# Altium PCB H-00488.PcbDoc (part 3 of 9)
Units mm, origin at the board's own origin, x right, y up, seen from the top; angles counter-clockwise.
Board outline 141.5 x 129 mm, 4 copper layers (Top Layer, Ground Plane, Power Plane, Bottom Layer), stack 1.536 mm thick; 527 components, 572 nets, 2185 pads, 1060 vias.
Unrouted connection lines stored in the file: 97.
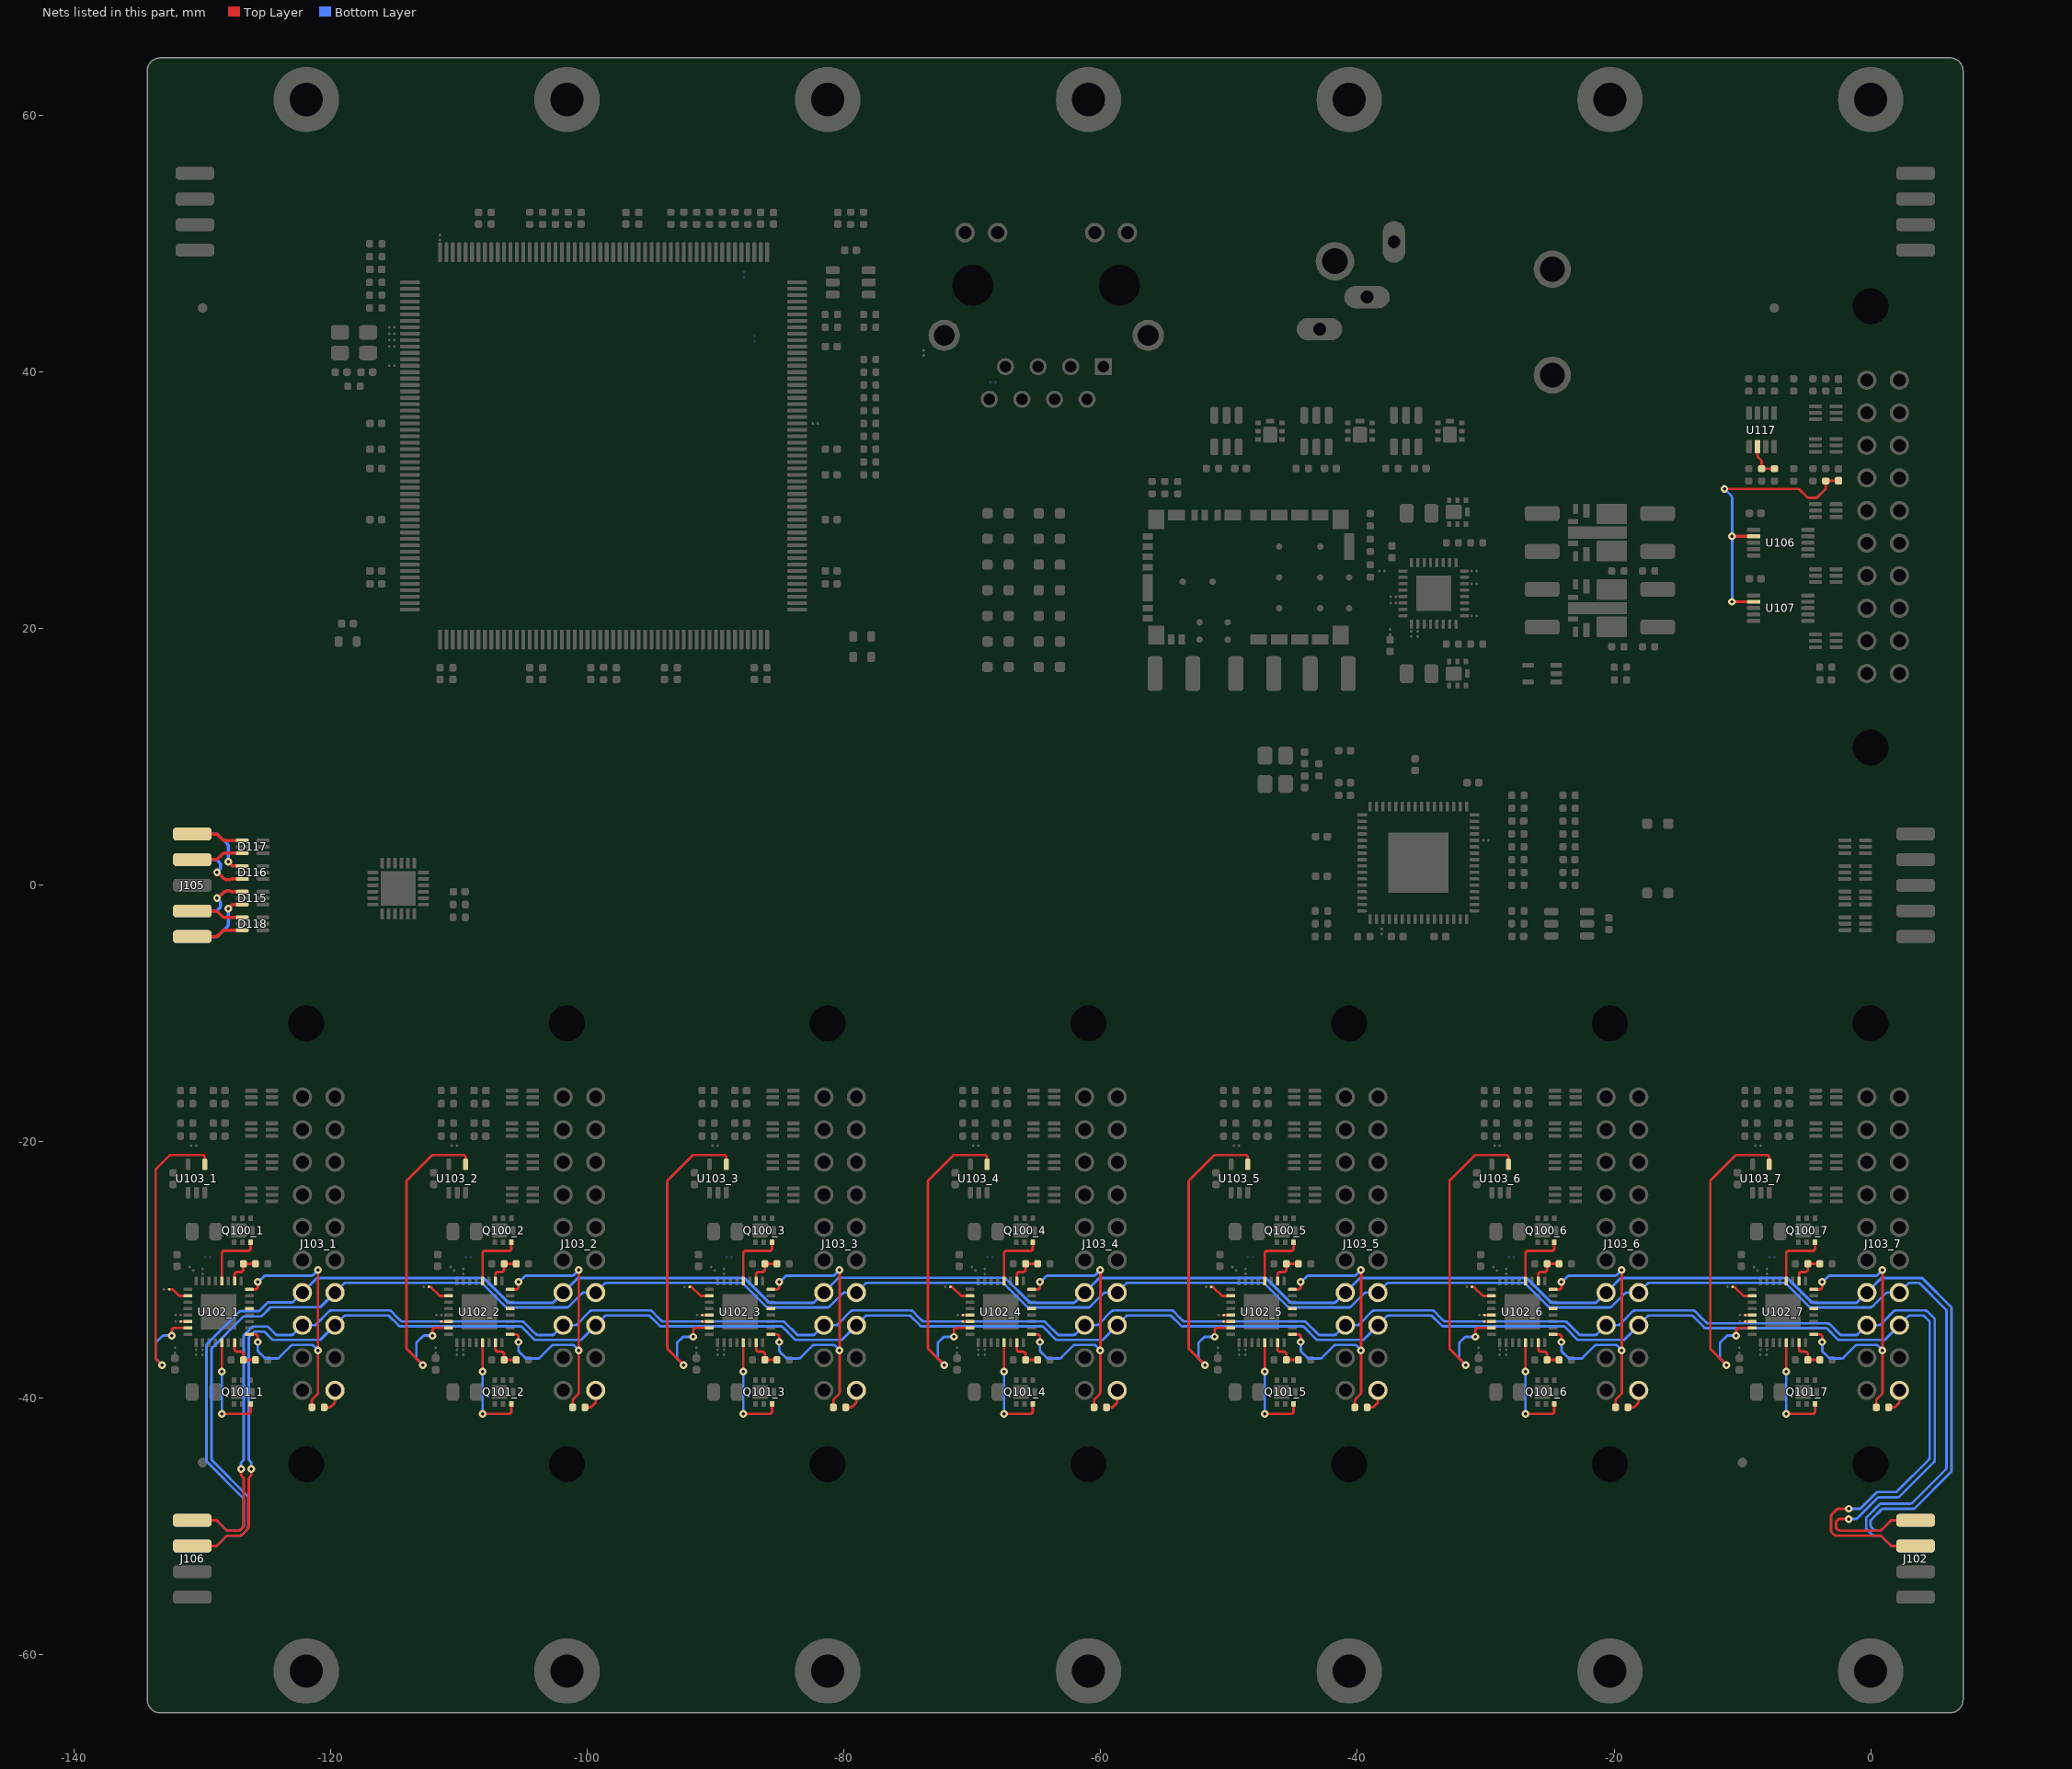
[diagram p5: the nets of this part, all layers, seen from the top]

## Via types
v1: diameter 0.6, hole 0.25, Top Layer to Bottom Layer, 934 vias
v2: diameter 0.7, hole 0.3, Top Layer to Bottom Layer, 112 vias
v3: diameter 1.27, hole 0.711, Top Layer to Bottom Layer, 14 vias

## Nets (pads, with @x,y where several pads share a name; then routed paths per layer and width w, separated by ;. In a path a pad name is that pad's centre, name@x,y a point inside that pad or via, vN(x,y) a via of type N, cw(c..) or ccw(c..) an arc to the next point about the centre after c; other vN are vias at no path point) (continued)
ADR0_3: NT126_3.2 U102_3.5 | length 1.1
  Top Layer w0.2: NT126_3.2@-91.06,-33.504 U102_3.5@-90.51,-33.504 NT126_3.2@-91.06,-33.504
ADR0_4: NT126_4.2 U102_4.5 | length 1.1
  Top Layer w0.2: NT126_4.2@-70.74,-33.504 U102_4.5@-70.19,-33.504 NT126_4.2@-70.74,-33.504
ADR0_5: NT126_5.2 U102_5.5 | length 1.1
  Top Layer w0.2: NT126_5.2@-50.42,-33.504 U102_5.5@-49.87,-33.504 NT126_5.2@-50.42,-33.504
ADR0_6: NT126_6.2 U102_6.5 | length 1.1
  Top Layer w0.2: NT126_6.2@-30.1,-33.504 U102_6.5@-29.55,-33.504 NT126_6.2@-30.1,-33.504
ADR0_7: NT126_7.2 U102_7.5 | length 0.6
  Top Layer w0.2: NT126_7.2@-9.78,-33.504 U102_7.5@-9.23,-33.504
ADR1_1: NT125_1.2 U102_1.6 | length 0.5
  Top Layer w0.2: NT125_1.2@-131.7,-34.004 U102_1.6@-131.15,-34.004
ADR1_2: NT125_2.2 U102_2.6 | length 0.6
  Top Layer w0.2: NT125_2.2@-111.38,-34.004 U102_2.6@-110.83,-34.004
ADR1_3: NT125_3.2 U102_3.6 | length 0.6
  Top Layer w0.2: NT125_3.2@-91.06,-34.004 U102_3.6@-90.51,-34.004
ADR1_4: NT125_4.2 U102_4.6 | length 0.6
  Top Layer w0.2: NT125_4.2@-70.74,-34.004 U102_4.6@-70.19,-34.004
ADR1_5: NT125_5.2 U102_5.6 | length 0.6
  Top Layer w0.2: NT125_5.2@-50.42,-34.004 U102_5.6@-49.87,-34.004
ADR1_6: NT125_6.2 U102_6.6 | length 0.6
  Top Layer w0.2: NT125_6.2@-30.1,-34.004 U102_6.6@-29.55,-34.004
ADR1_7: NT125_7.2 U102_7.6 | length 0.6
  Top Layer w0.2: NT125_7.2@-9.78,-34.004 U102_7.6@-9.23,-34.004
ADR2_1: U102_1.7 U103_1.4 | length 25.6
  Top Layer w0.2: v1(-133.147,-37.402) -133.591,-36.957 cw(c-133.45,-36.815) -133.65,-36.815 -133.65,-22.221 cw(c-133.45,-22.221) -133.591,-22.079 -132.596,-21.084 cw(c-132.454,-21.225) -132.454,-21.025 -130.025,-21.025 cw(c-130.025,-21.225) -129.825,-21.225 U103_1.4@-129.825,-21.76 ; v1(-132.4,-35.1) -132.4,-34.704 cw(c-132.2,-34.704) -132.2,-34.504 U102_1.7@-131.146,-34.504
  Bottom Layer w0.2: v1(-133.147,-37.402) -133.605,-36.944 cw(c-133.463,-36.802) -133.663,-36.802 -133.663,-35.746 cw(c-133.463,-35.746) -133.605,-35.605 -133.159,-35.159 cw(c-133.017,-35.3) -133.017,-35.1 v1(-132.4,-35.1)
ADR2_2: U102_2.7 U103_2.4 | length 26.1
  Top Layer w0.2: -114.041,-36.187 v1(-112.827,-37.402) ; -114.042,-36.186 cw(c-113.9,-36.045) -114.1,-36.045 -114.1,-23.109 cw(c-113.9,-23.109) -114.041,-22.967 -112.158,-21.084 cw(c-112.016,-21.225) -112.016,-21.025 -109.705,-21.025 cw(c-109.705,-21.225) -109.505,-21.225 U103_2.4@-109.505,-21.76 ; v1(-112.08,-35.1) -112.08,-34.704 cw(c-111.88,-34.704) -111.88,-34.504 U102_2.7@-110.826,-34.504
  Bottom Layer w0.2: v1(-112.827,-37.402) -113.285,-36.944 cw(c-113.143,-36.802) -113.343,-36.802 -113.343,-35.746 cw(c-113.143,-35.746) -113.285,-35.605 -112.839,-35.159 cw(c-112.697,-35.3) -112.697,-35.1 v1@-112.081,-35.1
ADR2_3: U102_3.7 U103_3.4 | length 26.4
  Top Layer w0.2: -93.721,-36.187 v1(-92.507,-37.402) ; -93.722,-36.186 cw(c-93.58,-36.045) -93.78,-36.045 -93.78,-23.109 cw(c-93.58,-23.109) -93.721,-22.967 -91.838,-21.084 cw(c-91.696,-21.225) -91.696,-21.025 -89.385,-21.025 cw(c-89.385,-21.225) -89.185,-21.225 U103_3.4@-89.185,-21.76 ; v1@-91.76,-35.397 -91.76,-34.704 cw(c-91.56,-34.704) -91.56,-34.504 U102_3.7@-90.506,-34.504
  Bottom Layer w0.2: v1(-92.507,-37.402) -92.965,-36.944 cw(c-92.823,-36.802) -93.023,-36.802 -93.023,-35.746 cw(c-92.823,-35.746) -92.965,-35.605 -92.619,-35.259 cw(c-92.477,-35.4) -92.479,-35.2 -92.477,-35.2 v1(-91.76,-35.2)
ADR2_4: U102_4.7 U103_4.4 | length 26.4
  Top Layer w0.2: -73.401,-36.187 v1(-72.187,-37.402) ; -73.402,-36.186 cw(c-73.26,-36.045) -73.46,-36.045 -73.46,-23.109 cw(c-73.26,-23.109) -73.401,-22.967 -71.518,-21.084 cw(c-71.376,-21.225) -71.376,-21.025 -69.065,-21.025 cw(c-69.065,-21.225) -68.865,-21.225 U103_4.4@-68.865,-21.76 ; v1@-71.44,-35.397 -71.44,-34.704 cw(c-71.24,-34.704) -71.24,-34.504 U102_4.7@-70.186,-34.504
  Bottom Layer w0.2: v1(-72.187,-37.402) -72.645,-36.944 cw(c-72.503,-36.802) -72.703,-36.802 -72.703,-35.746 cw(c-72.503,-35.746) -72.645,-35.605 -72.299,-35.259 cw(c-72.157,-35.4) -72.159,-35.2 -72.157,-35.2 v1(-71.44,-35.2)
ADR2_5: U102_5.7 U103_5.4 | length 26.4
  Top Layer w0.2: -53.081,-36.187 v1(-51.867,-37.402) ; -53.082,-36.186 cw(c-52.94,-36.045) -53.14,-36.045 -53.14,-23.109 cw(c-52.94,-23.109) -53.081,-22.967 -51.198,-21.084 cw(c-51.056,-21.225) -51.056,-21.025 -48.745,-21.025 cw(c-48.745,-21.225) -48.545,-21.225 U103_5.4@-48.545,-21.76 ; v1@-51.12,-35.397 -51.12,-34.704 cw(c-50.92,-34.704) -50.92,-34.504 U102_5.7@-49.866,-34.504
  Bottom Layer w0.2: v1(-51.867,-37.402) -52.325,-36.944 cw(c-52.183,-36.802) -52.383,-36.802 -52.383,-35.746 cw(c-52.183,-35.746) -52.325,-35.605 -51.979,-35.259 cw(c-51.837,-35.4) -51.839,-35.2 -51.837,-35.2 v1(-51.12,-35.2)
ADR2_6: U102_6.7 U103_6.4 | length 26.4
  Top Layer w0.2: -32.761,-36.187 v1(-31.547,-37.402) ; -32.762,-36.186 cw(c-32.62,-36.045) -32.82,-36.045 -32.82,-23.109 cw(c-32.62,-23.109) -32.761,-22.967 -30.878,-21.084 cw(c-30.736,-21.225) -30.736,-21.025 -28.425,-21.025 cw(c-28.425,-21.225) -28.225,-21.225 U103_6.4@-28.225,-21.76 ; v1@-30.8,-35.397 -30.8,-34.704 cw(c-30.6,-34.704) -30.6,-34.504 U102_6.7@-29.546,-34.504
  Bottom Layer w0.2: v1(-31.547,-37.402) -32.005,-36.944 cw(c-31.863,-36.802) -32.063,-36.802 -32.063,-35.746 cw(c-31.863,-35.746) -32.005,-35.605 -31.659,-35.259 cw(c-31.517,-35.4) -31.519,-35.2 -31.517,-35.2 v1(-30.8,-35.2)
ADR2_7: U102_7.7 U103_7.4 | length 26.1
  Top Layer w0.2: -12.441,-36.187 v1(-11.227,-37.402) ; -12.442,-36.186 cw(c-12.3,-36.045) -12.5,-36.045 -12.5,-23.109 cw(c-12.3,-23.109) -12.441,-22.967 -10.558,-21.084 cw(c-10.416,-21.225) -10.416,-21.025 -8.105,-21.025 cw(c-8.105,-21.225) -7.905,-21.225 U103_7.4@-7.905,-21.76 ; v1(-10.48,-35.1) ccw(c-10.679,-35.08) -10.479,-35.081 -10.479,-34.704 cw(c-10.279,-34.704) -10.279,-34.504 U102_7.7@-9.226,-34.504
  Bottom Layer w0.2: v1(-11.227,-37.402) -11.685,-36.944 cw(c-11.543,-36.802) -11.743,-36.802 -11.743,-35.746 cw(c-11.543,-35.746) -11.685,-35.605 -11.239,-35.159 cw(c-11.097,-35.3) -11.097,-35.1 v1(-10.48,-35.1)
ALERT_1: U102_1.21
ALERT_2: U102_2.21
ALERT_3: U102_3.21
ALERT_4: U102_4.21
ALERT_5: U102_5.21
ALERT_6: U102_6.21
ALERT_7: U102_7.21
CANA.CAN_N: J102.6 J103_1.A7 J103_2.A7 J103_3.A7 J103_4.A7 J103_5.A7 J103_6.A7 J103_7.A7 J106.7 | length 192.7
  Bottom Layer w0.2: J106.7@-130.7,-51.5 -128.983,-51.5 ccw(c-128.983,-51.3) -128.841,-51.441 -128.159,-50.759 cw(c-128.017,-50.9) -128.018,-50.7 -127.083,-50.7 ccw(c-127.083,-50.5) -126.941,-50.641 -126.509,-50.209 ccw(c-126.65,-50.067) -126.45,-50.067 -126.45,-47.733 ccw(c-126.65,-47.733) -126.509,-47.591 -129.241,-44.859 cw(c-129.1,-44.717) -129.3,-44.719 -129.3,-36.183 cw(c-129.1,-36.183) -129.241,-36.041 -126.859,-33.659 cw(c-126.717,-33.8) -126.717,-33.6 -125.489,-33.6 ccw(c-125.489,-33.4) -125.348,-33.541 -124.699,-32.893 -120.823,-32.893 J103_1.A7@-119.68,-31.75 -118.977,-31.047 cw(c-118.835,-31.188) -118.834,-30.988 -108.336,-30.988 cw(c-108.335,-31.188) -108.193,-31.047 -106.395,-32.845 ccw(c-106.254,-32.703) -106.254,-32.903 -101.607,-32.903 ccw(c-101.607,-32.703) -101.466,-32.845 -100.43,-31.809 cw(c-100.288,-31.95) -100.289,-31.75 J103_2.A7@-99.36,-31.75 -98.657,-31.047 cw(c-98.515,-31.188) -98.514,-30.988 -88.016,-30.988 cw(c-88.015,-31.188) -87.873,-31.047 -86.075,-32.845 ccw(c-85.934,-32.703) -85.934,-32.903 -81.287,-32.903 ccw(c-81.287,-32.703) -81.146,-32.845 -80.11,-31.809 cw(c-79.968,-31.95) -79.969,-31.75 J103_3.A7@-79.04,-31.75 -78.337,-31.047 cw(c-78.195,-31.188) -78.194,-30.988 -67.696,-30.988 cw(c-67.695,-31.188) -67.553,-31.047 -65.755,-32.845 ccw(c-65.614,-32.703) -65.614,-32.903 -60.967,-32.903 ccw(c-60.967,-32.703) -60.826,-32.845 -59.79,-31.809 cw(c-59.648,-31.95) -59.649,-31.75 J103_4.A7@-58.72,-31.75 -58.017,-31.047 cw(c-57.875,-31.188) -57.874,-30.988 -47.376,-30.988 cw(c-47.375,-31.188) -47.233,-31.047 -45.435,-32.845 ccw(c-45.294,-32.703) -45.294,-32.903 -40.647,-32.903 ccw(c-40.647,-32.703) -40.506,-32.845 -39.47,-31.809 cw(c-39.328,-31.95) -39.329,-31.75 J103_5.A7@-38.4,-31.75 -37.697,-31.047 cw(c-37.555,-31.188) -37.554,-30.988 -27.056,-30.988 cw(c-27.055,-31.188) -26.913,-31.047 -25.115,-32.845 ccw(c-24.974,-32.703) -24.974,-32.903 -20.327,-32.903 ccw(c-20.327,-32.703) -20.186,-32.845 -19.15,-31.809 cw(c-19.008,-31.95) -19.009,-31.75 J103_6.A7@-18.08,-31.75 -17.377,-31.047 cw(c-17.235,-31.188) -17.234,-30.988 -6.736,-30.988 cw(c-6.735,-31.188) -6.593,-31.047 -4.795,-32.845 ccw(c-4.654,-32.703) -4.654,-32.903 -0.007,-32.903 ccw(c-0.007,-32.703) 0.134,-32.845 1.17,-31.809 cw(c1.312,-31.95) 1.311,-31.75 J103_7.A7@2.24,-31.75 2.943,-31.047 cw(c3.085,-31.188) 3.086,-30.988 3.705,-30.988 cw(c3.705,-31.188) 3.847,-31.047 5.841,-33.041 cw(c5.7,-33.183) 5.9,-33.183 5.9,-45.417 cw(c5.7,-45.417) 5.841,-45.559 3.259,-48.141 cw(c3.117,-48) 3.117,-48.2 0.833,-48.2 ccw(c0.833,-48.4) 0.691,-48.259 -0.292,-49.242 ccw(c-0.15,-49.383) -0.35,-49.382 -0.35,-50.067 ccw(c-0.15,-50.067) -0.292,-50.209 0.142,-50.642 ccw(c0.283,-50.5) 0.281,-50.7 0.717,-50.7 ; 0.718,-50.7 cw(c0.717,-50.9) 0.859,-50.759 1.541,-51.441 ccw(c1.683,-51.3) 1.683,-51.5 J102.6@3.4,-51.5
CANA.CAN_P: J102.5 J103_1.B7 J103_2.B7 J103_3.B7 J103_4.B7 J103_5.B7 J103_6.B7 J103_7.B7 J106.8 | length 193.2
  Bottom Layer w0.2: J106.8@-130.7,-49.5 -128.983,-49.5 cw(c-128.983,-49.7) -128.841,-49.559 -128.159,-50.241 ccw(c-128.017,-50.1) -128.017,-50.3 -127.183,-50.3 ccw(c-127.183,-50.1) -127.041,-50.241 -126.859,-50.059 ccw(c-127,-49.917) -126.8,-49.917 -126.8,-47.883 ccw(c-127,-47.883) -126.859,-47.741 -129.641,-44.959 cw(c-129.5,-44.817) -129.7,-44.819 -129.7,-35.883 cw(c-129.5,-35.883) -129.641,-35.741 -127.159,-33.259 cw(c-127.017,-33.4) -127.019,-33.2 -127.017,-33.2 -125.683,-33.2 ccw(c-125.683,-33) -125.541,-33.141 -124.971,-32.571 cw(c-124.829,-32.712) -124.83,-32.512 ; -124.829,-32.512 -123.534,-32.512 -123.065,-32.512 ccw(c-123.065,-32.312) -122.924,-32.454 J103_1.B7@-122.22,-31.75 -121.136,-30.666 cw(c-120.994,-30.807) -120.994,-30.607 -108.177,-30.607 cw(c-108.177,-30.807) -108.035,-30.666 -106.206,-32.495 ccw(c-106.065,-32.353) -106.065,-32.553 -102.786,-32.553 ccw(c-102.786,-32.353) -102.645,-32.495 J103_2.B7@-101.9,-31.75 -100.816,-30.666 cw(c-100.674,-30.807) -100.674,-30.607 -87.857,-30.607 cw(c-87.857,-30.807) -87.715,-30.666 -85.886,-32.495 ccw(c-85.745,-32.353) -85.745,-32.553 -82.466,-32.553 ccw(c-82.466,-32.353) -82.325,-32.495 J103_3.B7@-81.58,-31.75 -80.489,-30.659 cw(c-80.347,-30.8) -80.347,-30.6 -67.544,-30.6 cw(c-67.544,-30.8) -67.402,-30.659 -65.566,-32.495 ccw(c-65.425,-32.353) -65.425,-32.553 -62.146,-32.553 ccw(c-62.146,-32.353) -62.005,-32.495 J103_4.B7@-61.26,-31.75 -60.176,-30.666 cw(c-60.034,-30.807) -60.034,-30.607 -47.217,-30.607 cw(c-47.217,-30.807) -47.075,-30.666 -45.246,-32.495 ccw(c-45.105,-32.353) -45.105,-32.553 -41.826,-32.553 ccw(c-41.826,-32.353) -41.685,-32.495 J103_5.B7@-40.94,-31.75 -39.856,-30.666 cw(c-39.714,-30.807) -39.714,-30.607 -26.897,-30.607 cw(c-26.897,-30.807) -26.755,-30.666 -24.926,-32.495 ccw(c-24.785,-32.353) -24.785,-32.553 -21.506,-32.553 ccw(c-21.506,-32.353) -21.365,-32.495 J103_6.B7@-20.62,-31.75 -19.536,-30.666 cw(c-19.394,-30.807) -19.394,-30.607 -6.577,-30.607 cw(c-6.577,-30.807) -6.435,-30.666 -4.606,-32.495 ccw(c-4.465,-32.353) -4.465,-32.553 -1.186,-32.553 ccw(c-1.186,-32.353) -1.045,-32.495 J103_7.B7@-0.3,-31.75 0.784,-30.666 cw(c0.926,-30.807) 0.926,-30.607 3.924,-30.607 cw(c3.924,-30.807) 4.066,-30.666 6.241,-32.841 cw(c6.1,-32.983) 6.3,-32.983 6.3,-45.617 cw(c6.1,-45.617) 6.241,-45.759 3.4,-48.6 0.983,-48.6 ccw(c0.983,-48.8) 0.841,-48.659 0.058,-49.442 ccw(c0.2,-49.583) 0,-49.582 0,-49.917 ccw(c0.2,-49.917) 0.058,-50.058 0.242,-50.243 ccw(c0.383,-50.1) 0.381,-50.3 0.717,-50.3 ccw(c0.717,-50.1) 0.859,-50.241 1.541,-49.559 cw(c1.683,-49.7) 1.683,-49.5 J102.5@3.4,-49.5
CANB.CAN_N: J102.2 J103_1.A8 J103_2.A8 J103_3.A8 J103_4.A8 J103_5.A8 J103_6.A8 J103_7.A8 J106.3 | length 189.8
  Top Layer w0.2: J106.3@-130.7,-51.5 -128.983,-51.5 ccw(c-128.983,-51.3) -128.841,-51.441 -128.159,-50.759 cw(c-128.017,-50.9) -128.018,-50.7 -127.083,-50.7 ccw(c-127.083,-50.5) -126.941,-50.641 -126.509,-50.209 ccw(c-126.771,-49.946) -126.4,-49.946 -126.4,-46.283 cw(c-126.2,-46.283) -126.341,-46.141 -126.259,-46.059 ccw(c-126.4,-45.917) -126.2,-45.916 v1(-126.2,-45.5) ; v1(-1.7,-48.6) -2.5,-48.6 ccw(c-2.5,-48.8) -2.641,-48.658 -3.039,-49.056 ccw(c-2.897,-49.197) -3.097,-49.197 -3.097,-50.296 ccw(c-2.897,-50.296) -3.039,-50.437 -2.834,-50.642 ccw(c-2.693,-50.5) -2.694,-50.7 0.717,-50.7 ; 0.718,-50.7 cw(c0.718,-50.9) 0.86,-50.759 ; 0.859,-50.759 1.541,-51.441 ccw(c1.683,-51.3) 1.683,-51.5 J102.2@3.4,-51.5
  Bottom Layer w0.2: v1(-126.2,-45.5) -126.2,-45.083 ccw(c-126.4,-45.083) -126.259,-44.941 -126.341,-44.859 cw(c-126.2,-44.717) -126.4,-44.717 -126.4,-35.314 cw(c-126.2,-35.314) -126.341,-35.173 -126.018,-34.849 cw(c-125.876,-34.99) -125.877,-34.79 -125.265,-34.79 cw(c-125.265,-34.99) -125.123,-34.849 -124.598,-35.374 ccw(c-124.456,-35.233) -124.456,-35.433 -120.823,-35.433 J103_1.A8@-119.68,-34.29 -118.977,-33.587 cw(c-118.835,-33.728) -118.834,-33.528 -115.594,-33.528 cw(c-115.594,-33.728) -115.452,-33.587 -114.729,-34.31 ccw(c-114.588,-34.168) -114.588,-34.368 -105.271,-34.368 cw(c-105.271,-34.568) -105.204,-34.38 -105.13,-34.426 ; -105.13,-34.427 -104.182,-35.374 ccw(c-104.041,-35.233) -104.041,-35.433 -100.503,-35.433 J103_2.A8@-99.36,-34.29 -98.657,-33.587 cw(c-98.515,-33.728) -98.514,-33.528 -95.274,-33.528 cw(c-95.274,-33.728) -95.131,-33.588 -94.409,-34.31 ccw(c-94.268,-34.168) -94.268,-34.368 -84.951,-34.368 cw(c-84.951,-34.568) -84.81,-34.427 -83.862,-35.374 ccw(c-83.721,-35.233) -83.721,-35.433 -80.183,-35.433 J103_3.A8@-79.04,-34.29 -78.337,-33.587 cw(c-78.195,-33.728) -78.194,-33.528 -74.954,-33.528 cw(c-74.954,-33.728) -74.811,-33.588 -74.089,-34.31 ccw(c-73.948,-34.168) -73.948,-34.368 -64.631,-34.368 cw(c-64.631,-34.568) -64.49,-34.427 -63.542,-35.374 ccw(c-63.401,-35.233) -63.401,-35.433 -59.863,-35.433 J103_4.A8@-58.72,-34.29 -58.017,-33.587 cw(c-57.875,-33.728) -57.874,-33.528 -54.634,-33.528 cw(c-54.634,-33.728) -54.491,-33.588 -53.769,-34.31 ccw(c-53.628,-34.168) -53.628,-34.368 -44.311,-34.368 cw(c-44.311,-34.568) -44.17,-34.427 -43.222,-35.374 ccw(c-43.081,-35.233) -43.081,-35.433 -39.543,-35.433 J103_5.A8@-38.4,-34.29 -37.697,-33.587 cw(c-37.555,-33.728) -37.554,-33.528 -34.314,-33.528 cw(c-34.314,-33.728) -34.171,-33.588 -33.449,-34.31 ccw(c-33.308,-34.168) -33.308,-34.368 -23.991,-34.368 cw(c-23.991,-34.568) -23.85,-34.427 -22.902,-35.374 ccw(c-22.761,-35.233) -22.761,-35.433 -19.223,-35.433 J103_6.A8@-18.08,-34.29 -17.377,-33.587 cw(c-17.235,-33.728) -17.234,-33.528 -13.994,-33.528 cw(c-13.994,-33.728) -13.851,-33.588 -12.977,-34.461 ccw(c-12.836,-34.32) -12.836,-34.52 -3.519,-34.52 cw(c-3.519,-34.72) -3.378,-34.579 -2.582,-35.374 ccw(c-2.441,-35.233) -2.441,-35.433 1.097,-35.433 J103_7.A8@2.24,-34.29 2.943,-33.587 cw(c3.085,-33.728) 3.086,-33.528 4.045,-33.528 cw(c4.045,-33.728) 4.187,-33.587 4.541,-33.941 cw(c4.4,-34.083) 4.6,-34.083 4.6,-44.617 cw(c4.4,-44.617) 4.542,-44.758 2.058,-47.242 cw(c1.917,-47.1) 1.917,-47.3 0.583,-47.3 ccw(c0.583,-47.5) 0.442,-47.358 -0.741,-48.541 cw(c-0.883,-48.4) -0.883,-48.6 v1(-1.7,-48.6)
CANB.CAN_P: J102.1 J103_1.B8 J103_2.B8 J103_3.B8 J103_4.B8 J103_5.B8 J103_6.B8 J103_7.B8 J106.4 | length 189.5
  Top Layer w0.2: J106.4@-130.7,-49.5 -128.984,-49.5 cw(c-128.984,-49.7) -128.864,-49.54 -128.861,-49.542 cw(c-128.98,-49.703) -128.841,-49.559 -128.84,-49.56 -128.159,-50.241 ccw(c-128.017,-50.1) -128.017,-50.3 -127.183,-50.3 ccw(c-127.183,-50.1) -127.041,-50.241 -126.859,-50.059 ccw(c-127,-49.917) -126.8,-49.917 ; v1(-127,-45.5) -127,-45.917 ccw(c-126.8,-45.917) -126.941,-46.059 -126.859,-46.141 cw(c-127,-46.283) -126.8,-46.283 -126.8,-49.9 ; v1(-1.7,-49.4) -2.418,-49.4 ccw(c-2.418,-49.6) -2.559,-49.458 -2.634,-49.533 ccw(c-2.492,-49.674) -2.692,-49.674 -2.692,-50.032 ccw(c-2.492,-50.032) -2.634,-50.173 -2.565,-50.242 ccw(c-2.424,-50.1) -2.424,-50.3 0.717,-50.3 ccw(c0.717,-50.1) 0.859,-50.241 1.54,-49.56 1.541,-49.559 cw(c1.68,-49.703) 1.561,-49.542 1.564,-49.54 cw(c1.684,-49.7) 1.684,-49.5 J102.1@3.4,-49.5
  Bottom Layer w0.2: v1(-127,-45.5) -127,-45.084 cw(c-126.8,-45.083) -126.941,-44.941 -126.859,-44.859 ccw(c-127,-44.717) -126.8,-44.717 -126.8,-35.173 cw(c-126.6,-35.173) -126.741,-35.032 -126.159,-34.449 cw(c-126.017,-34.59) -126.017,-34.39 -125.01,-34.39 cw(c-125.01,-34.59) -124.868,-34.449 -124.324,-34.993 ccw(c-124.182,-34.852) -124.182,-35.052 -123.065,-35.052 ccw(c-123.065,-34.852) -122.923,-34.993 J103_1.B8@-122.22,-34.29 -121.287,-34.29 ccw(c-121.287,-34.09) -121.145,-34.231 -120.12,-33.206 cw(c-119.978,-33.347) -119.977,-33.147 -115.436,-33.147 cw(c-115.436,-33.347) -115.293,-33.207 -114.814,-33.686 -114.559,-33.941 ccw(c-114.417,-33.8) -114.418,-34 -105.1,-34 cw(c-105.1,-34.2) -104.959,-34.059 -104.024,-34.993 ccw(c-103.883,-34.852) -103.883,-35.052 -102.745,-35.052 ccw(c-102.745,-34.852) -102.603,-34.993 J103_2.B8@-101.9,-34.29 -100.967,-34.29 ccw(c-100.967,-34.09) -100.825,-34.231 -99.8,-33.206 cw(c-99.658,-33.347) -99.657,-33.147 -95.116,-33.147 cw(c-95.116,-33.347) -94.973,-33.207 -94.494,-33.686 -94.239,-33.941 ccw(c-94.097,-33.8) -94.097,-34 -84.78,-34 cw(c-84.78,-34.2) -84.639,-34.059 -83.704,-34.993 ccw(c-83.563,-34.852) -83.563,-35.052 -82.425,-35.052 ccw(c-82.425,-34.852) -82.283,-34.993 J103_3.B8@-81.58,-34.29 -80.647,-34.29 ccw(c-80.647,-34.09) -80.505,-34.231 -79.48,-33.206 cw(c-79.338,-33.347) -79.337,-33.147 -74.796,-33.147 cw(c-74.796,-33.347) -74.653,-33.207 -74.174,-33.686 -73.919,-33.941 ccw(c-73.777,-33.8) -73.777,-34 -64.46,-34 cw(c-64.46,-34.2) -64.319,-34.059 -63.384,-34.993 ccw(c-63.243,-34.852) -63.243,-35.052 -62.105,-35.052 ccw(c-62.105,-34.852) -61.963,-34.993 J103_4.B8@-61.26,-34.29 -60.327,-34.29 ccw(c-60.327,-34.09) -60.185,-34.231 -59.16,-33.206 cw(c-59.018,-33.347) -59.017,-33.147 -54.476,-33.147 cw(c-54.476,-33.347) -54.333,-33.207 -53.854,-33.686 -53.599,-33.941 ccw(c-53.457,-33.8) -53.457,-34 -44.14,-34 cw(c-44.14,-34.2) -43.999,-34.059 -43.064,-34.993 ccw(c-42.923,-34.852) -42.923,-35.052 -41.785,-35.052 ccw(c-41.785,-34.852) -41.643,-34.993 J103_5.B8@-40.94,-34.29 -40.007,-34.29 ccw(c-40.007,-34.09) -39.865,-34.231 -38.84,-33.206 cw(c-38.698,-33.347) -38.697,-33.147 -34.156,-33.147 cw(c-34.156,-33.347) -34.013,-33.207 -33.534,-33.686 -33.279,-33.941 ccw(c-33.137,-33.8) -33.137,-34 -23.82,-34 cw(c-23.82,-34.2) -23.679,-34.059 -22.744,-34.993 ccw(c-22.603,-34.852) -22.603,-35.052 -21.465,-35.052 ccw(c-21.465,-34.852) -21.323,-34.993 J103_6.B8@-20.62,-34.29 -19.687,-34.29 ccw(c-19.687,-34.09) -19.545,-34.231 -18.52,-33.206 cw(c-18.378,-33.347) -18.377,-33.147 -13.836,-33.147 cw(c-13.836,-33.347) -13.693,-33.207 -13.214,-33.686 -12.807,-34.093 ccw(c-12.665,-33.952) -12.665,-34.152 -3.348,-34.152 cw(c-3.348,-34.352) -3.207,-34.21 -2.424,-34.993 ccw(c-2.283,-34.852) -2.283,-35.052 -1.145,-35.052 ccw(c-1.145,-34.852) -1.003,-34.993 J103_7.B8@-0.3,-34.29 0.633,-34.29 ccw(c0.633,-34.09) 0.775,-34.231 1.8,-33.206 cw(c1.942,-33.347) 1.943,-33.147 4.264,-33.147 cw(c4.264,-33.347) 4.406,-33.206 4.941,-33.741 cw(c4.8,-33.883) 5,-33.883 5,-44.817 cw(c4.8,-44.817) 4.942,-44.958 2.258,-47.642 cw(c2.117,-47.5) 2.117,-47.7 0.683,-47.7 ccw(c0.683,-47.9) 0.542,-47.758 -1.042,-49.342 cw(c-1.183,-49.2) -1.183,-49.4 v1(-1.7,-49.4)
CONFIG_1: NT124_1.2 U102_1.2 | length 1.6
  Top Layer w0.2: NT124_1.2@-132.6,-31.5 -132.405,-31.5 cw(c-132.405,-31.7) -132.263,-31.56 -131.876,-31.946 ccw(c-131.735,-31.804) -131.737,-32.004 U102_1.2@-131.15,-32.004
CONFIG_2: NT124_2.2 U102_2.2 | length 1.8
  Top Layer w0.2: NT124_2.2@-112.363,-31.304 NT124_2.2@-112.357,-31.304 cw(c-112.305,-31.497) -112.164,-31.356 ; -112.164,-31.356 -111.574,-31.945 ccw(c-111.433,-31.804) -111.434,-32.004 U102_2.2@-110.83,-32.004
CONFIG_3: NT124_3.2 U102_3.2 | length 1.8
  Top Layer w0.2: NT124_3.2@-92.043,-31.304 NT124_3.2@-92.037,-31.304 cw(c-91.985,-31.497) -91.844,-31.356 ; -91.844,-31.356 -91.254,-31.945 ccw(c-91.113,-31.804) -91.114,-32.004 U102_3.2@-90.51,-32.004
CONFIG_4: NT124_4.2 U102_4.2 | length 1.8
  Top Layer w0.2: NT124_4.2@-71.723,-31.304 NT124_4.2@-71.717,-31.304 cw(c-71.665,-31.497) -71.524,-31.356 ; -71.524,-31.356 -70.934,-31.945 ccw(c-70.793,-31.804) -70.794,-32.004 U102_4.2@-70.19,-32.004
CONFIG_5: NT124_5.2 U102_5.2 | length 1.8
  Top Layer w0.2: NT124_5.2@-51.403,-31.304 NT124_5.2@-51.397,-31.304 cw(c-51.345,-31.497) -51.204,-31.356 ; -51.204,-31.356 -50.614,-31.945 ccw(c-50.473,-31.804) -50.474,-32.004 U102_5.2@-49.87,-32.004
CONFIG_6: NT124_6.2 U102_6.2 | length 1.8
  Top Layer w0.2: NT124_6.2@-31.083,-31.304 NT124_6.2@-31.077,-31.304 cw(c-31.025,-31.497) -30.884,-31.356 ; -30.884,-31.356 -30.294,-31.945 ccw(c-30.153,-31.804) -30.154,-32.004 U102_6.2@-29.55,-32.004
CONFIG_7: NT124_7.2 U102_7.2 | length 1.8
  Top Layer w0.2: NT124_7.2@-10.763,-31.304 NT124_7.2@-10.757,-31.304 cw(c-10.705,-31.497) -10.564,-31.356 ; -10.564,-31.356 -9.974,-31.945 ccw(c-9.833,-31.804) -9.834,-32.004 U102_7.2@-9.23,-32.004
DS_HOST2_D_N: D117.3 J105.4 | length 4.5
  Top Layer w0.25: J105.4@-131.2,2 -128.983,2 ccw(c-128.983,2.25) -128.806,2.073 -128.659,2.22 -128.452,2.427 cw(c-128.276,2.25) -128.277,2.5 ; -128.276,2.5 D117.3@-126.905,2.5
DS_HOST2_D_P: D117.1 J105.5 | length 4.5
  Top Layer w0.25: J105.5@-131.2,4 -128.98,4 cw(c-128.98,3.75) -128.803,3.926 -128.449,3.572 ccw(c-128.273,3.75) -128.275,3.5 D117.1@-126.905,3.5
DS_HOST3_D_N: D118.3 J105.1 | length 4.5
  Top Layer w0.25: J105.1@-131.2,-4 -128.981,-4 ccw(c-128.981,-3.75) -128.804,-3.926 -128.45,-3.573 cw(c-128.274,-3.75) -128.274,-3.5 D118.3@-126.905,-3.5
DS_HOST3_D_P: D118.1 J105.2 | length 4.5
  Top Layer w0.25: J105.2@-131.2,-2 -128.986,-2 cw(c-128.986,-2.25) -128.808,-2.074 -128.774,-2.109 -128.455,-2.428 ccw(c-128.279,-2.25) -128.281,-2.5 D118.1@-126.905,-2.5
DS_ID: D116.1 J105.10 | length 6.1
  Top Layer w0.25: v1(-128,1.834) -127.739,1.573 ccw(c-127.563,1.75) -127.563,1.5 D116.1@-126.905,1.5
  Bottom Layer w0.25: J105.10@-131.2,4 -128.957,4 cw(c-128.957,3.75) -128.78,3.927 -128.074,3.22 cw(c-128.25,3.043) -128,3.043 v1(-128,1.834)
DS_REF: R199.1 R200.2 U117.6 | length 2.8
  Top Layer w0.2: U117.6@-8.825,34.2 -8.825,33.529 ccw(c-8.575,33.529) -8.752,33.352 -8.573,33.173 cw(c-8.75,32.996) -8.5,32.996 -8.5,32.5 R199.1@-8.5,32.48 ; R199.1@-8.48,32.48 R200.2@-7.5,32.48
DS_RESET: D116.3 J105.9 | length 5.2
  Top Layer w0.25: v1(-128.873,1) -128.813,1 -128.369,0.556 -128.368,0.555 ccw(c-128.192,0.733) -128.303,0.509 -128.256,0.485 ccw(c-128,1) -127.76,0.477 cw(c-127.656,0.25) -127.655,0.5 D116.3@-126.905,0.5
  Bottom Layer w0.25: J105.9@-130.7,2 -129.004,2 cw(c-129.004,1.75) -128.828,1.928 -128.667,1.767 cw(c-128.845,1.591) -128.595,1.591 -128.595,1.401 cw(c-128.845,1.401) -128.667,1.225 -128.826,1.066 ccw(c-128.649,0.89) v1(-128.873,1)
DS_SCL: D115.3 J105.6 | length 6.1
  Top Layer w0.25: v1(-128,-1.834) -127.739,-1.573 cw(c-127.563,-1.75) -127.563,-1.5 D115.3@-126.905,-1.5
  Bottom Layer w0.25: J105.6@-131.2,-4 -128.957,-4 ccw(c-128.957,-3.75) -128.78,-3.927 -128.074,-3.22 ccw(c-128.25,-3.043) -128,-3.043 v1(-128,-1.834)
DS_SDA: D115.1 J105.7 | length 5.2
  Top Layer w0.25: v1(-128.873,-1) -128.813,-1 -128.369,-0.556 -128.368,-0.555 cw(c-128.192,-0.733) -128.303,-0.509 -128.256,-0.485 cw(c-128,-1) -127.76,-0.477 ccw(c-127.656,-0.25) -127.655,-0.5 D115.1@-126.905,-0.5
  Bottom Layer w0.25: J105.7@-130.7,-2 -129.004,-2 ccw(c-129.004,-1.75) -128.828,-1.928 -128.667,-1.767 ccw(c-128.845,-1.591) -128.595,-1.591 -128.595,-1.401 ccw(c-128.845,-1.401) -128.667,-1.225 -128.826,-1.066 cw(c-128.649,-0.89) v1(-128.873,-1)
EN_1: R145_1.1 U102_1.17 U102_1.24 | length 24.4
  Top Layer w0.2: U102_1.17@-126.345,-35.004 -125.896,-35.004 cw(c-125.896,-35.204) -125.696,-35.204 v1(-125.696,-35.597) ; U102_1.24@-126.345,-31.504 -125.896,-31.504 ccw(c-125.896,-31.304) -125.696,-31.304 v1(-125.696,-30.911) ; R145_1.1@-121.48,-40.7 -121.48,-40.18 cw(c-121.28,-40.18) -121.421,-40.038 -121.059,-39.676 ccw(c-121.2,-39.534) -121,-39.534 v1(-121,-36.246) v1(-121,-30)
  Bottom Layer w0.2: v1(-125.696,-35.597) -125.696,-36.23 ccw(c-125.496,-36.229) -125.638,-36.369 -125.182,-36.826 ccw(c-125.041,-36.684) -125.041,-36.884 -124.177,-36.884 ccw(c-124.177,-36.684) -124.035,-36.825 -123.098,-35.889 cw(c-122.956,-36.03) -122.957,-35.83 ; v1@-125.642,-30.9 ccw(c-125.781,-30.756) -125.639,-30.897 -125.228,-30.485 cw(c-125.086,-30.627) -125.086,-30.427 -121.51,-30.427 ccw(c-121.51,-30.227) -121.368,-30.368 v1(-121,-30) ; -122.956,-35.83 -121.499,-35.83 cw(c-121.499,-36.03) -121.357,-35.889 v1(-121,-36.246)
EN_2: R145_2.1 U102_2.17 U102_2.24 | length 24.4
  Top Layer w0.2: U102_2.17@-106.025,-35.004 -105.576,-35.004 cw(c-105.576,-35.204) -105.376,-35.204 v1(-105.376,-35.597) ; U102_2.24@-106.025,-31.504 -105.576,-31.504 ccw(c-105.576,-31.304) -105.376,-31.304 v1(-105.376,-30.911) ; R145_2.1@-101.16,-40.7 -101.16,-40.18 cw(c-100.96,-40.18) -101.101,-40.038 -100.739,-39.676 ccw(c-100.88,-39.534) -100.68,-39.534 v1(-100.68,-36.246) v1(-100.68,-30)
  Bottom Layer w0.2: v1(-105.376,-35.597) -105.376,-36.23 ccw(c-105.176,-36.229) -105.318,-36.369 -104.862,-36.826 ccw(c-104.721,-36.684) -104.721,-36.884 -103.857,-36.884 ccw(c-103.857,-36.684) -103.715,-36.825 -102.778,-35.889 cw(c-102.636,-36.03) -102.637,-35.83 ; v1@-105.322,-30.9 ccw(c-105.461,-30.756) -105.319,-30.897 -104.908,-30.485 cw(c-104.766,-30.627) -104.766,-30.427 -101.19,-30.427 ccw(c-101.19,-30.227) -101.048,-30.368 v1(-100.68,-30) ; -102.636,-35.83 -101.179,-35.83 cw(c-101.179,-36.03) -101.037,-35.889 v1(-100.68,-36.246)
EN_3: R145_3.1 U102_3.17 U102_3.24 | length 24.4
  Top Layer w0.2: U102_3.17@-85.705,-35.004 -85.256,-35.004 cw(c-85.256,-35.204) -85.056,-35.204 v1(-85.056,-35.597) ; U102_3.24@-85.705,-31.504 -85.256,-31.504 ccw(c-85.256,-31.304) -85.056,-31.304 v1(-85.056,-30.911) ; R145_3.1@-80.84,-40.7 -80.84,-40.18 cw(c-80.64,-40.18) -80.781,-40.038 -80.419,-39.676 ccw(c-80.56,-39.534) -80.36,-39.534 v1(-80.36,-36.246) v1(-80.36,-30)
  Bottom Layer w0.2: v1(-85.056,-35.597) -85.056,-36.23 ccw(c-84.856,-36.229) -84.998,-36.369 -84.542,-36.826 ccw(c-84.401,-36.684) -84.401,-36.884 -83.537,-36.884 ccw(c-83.537,-36.684) -83.395,-36.825 -82.458,-35.889 cw(c-82.316,-36.03) -82.317,-35.83 ; v1@-85.002,-30.9 ccw(c-85.141,-30.756) -84.999,-30.897 -84.588,-30.485 cw(c-84.446,-30.627) -84.446,-30.427 -80.87,-30.427 ccw(c-80.87,-30.227) -80.728,-30.368 v1(-80.36,-30) ; -82.316,-35.83 -80.859,-35.83 cw(c-80.859,-36.03) -80.717,-35.889 v1(-80.36,-36.246)
EN_4: R145_4.1 U102_4.17 U102_4.24 | length 24.4
  Top Layer w0.2: U102_4.17@-65.385,-35.004 -64.936,-35.004 cw(c-64.936,-35.204) -64.736,-35.204 v1(-64.736,-35.597) ; U102_4.24@-65.385,-31.504 -64.936,-31.504 ccw(c-64.936,-31.304) -64.736,-31.304 v1(-64.736,-30.911) ; R145_4.1@-60.52,-40.7 -60.52,-40.18 cw(c-60.32,-40.18) -60.461,-40.038 -60.099,-39.676 ccw(c-60.24,-39.534) -60.04,-39.534 v1(-60.04,-36.246) v1(-60.04,-30)
  Bottom Layer w0.2: v1(-64.736,-35.597) -64.736,-36.23 ccw(c-64.536,-36.229) -64.678,-36.369 -64.222,-36.826 ccw(c-64.081,-36.684) -64.081,-36.884 -63.217,-36.884 ccw(c-63.217,-36.684) -63.075,-36.825 -62.138,-35.889 cw(c-61.996,-36.03) -61.997,-35.83 ; v1@-64.682,-30.9 ccw(c-64.821,-30.756) -64.679,-30.897 -64.268,-30.485 cw(c-64.126,-30.627) -64.126,-30.427 -60.55,-30.427 ccw(c-60.55,-30.227) -60.408,-30.368 v1(-60.04,-30) ; -61.996,-35.83 -60.539,-35.83 cw(c-60.539,-36.03) -60.397,-35.889 v1(-60.04,-36.246)
EN_5: R145_5.1 U102_5.17 U102_5.24 | length 24.4
  Top Layer w0.2: U102_5.17@-45.065,-35.004 -44.616,-35.004 cw(c-44.616,-35.204) -44.416,-35.204 v1(-44.416,-35.597) ; U102_5.24@-45.065,-31.504 -44.616,-31.504 ccw(c-44.616,-31.304) -44.416,-31.304 v1(-44.416,-30.911) ; R145_5.1@-40.2,-40.7 -40.2,-40.18 cw(c-40,-40.18) -40.141,-40.038 -39.779,-39.676 ccw(c-39.92,-39.534) -39.72,-39.534 v1(-39.72,-36.246) v1(-39.72,-30)
  Bottom Layer w0.2: v1(-44.416,-35.597) -44.416,-36.23 ccw(c-44.216,-36.229) -44.358,-36.369 -43.902,-36.826 ccw(c-43.761,-36.684) -43.761,-36.884 -42.897,-36.884 ccw(c-42.897,-36.684) -42.755,-36.825 -41.818,-35.889 cw(c-41.676,-36.03) -41.677,-35.83 ; v1@-44.362,-30.9 ccw(c-44.501,-30.756) -44.359,-30.897 -43.948,-30.485 cw(c-43.806,-30.627) -43.806,-30.427 -40.23,-30.427 ccw(c-40.23,-30.227) -40.088,-30.368 v1(-39.72,-30) ; -41.676,-35.83 -40.219,-35.83 cw(c-40.219,-36.03) -40.077,-35.889 v1(-39.72,-36.246)
EN_6: R145_6.1 U102_6.17 U102_6.24 | length 24.4
  Top Layer w0.2: U102_6.17@-24.745,-35.004 -24.296,-35.004 cw(c-24.296,-35.204) -24.096,-35.204 v1(-24.096,-35.597) ; U102_6.24@-24.745,-31.504 -24.296,-31.504 ccw(c-24.296,-31.304) -24.096,-31.304 v1(-24.096,-30.911) ; R145_6.1@-19.88,-40.7 -19.88,-40.18 cw(c-19.68,-40.18) -19.821,-40.038 -19.459,-39.676 ccw(c-19.6,-39.534) -19.4,-39.534 v1(-19.4,-36.246) v1(-19.4,-30)
  Bottom Layer w0.2: v1(-24.096,-35.597) -24.096,-36.23 ccw(c-23.896,-36.229) -24.038,-36.369 -23.582,-36.826 ccw(c-23.441,-36.684) -23.441,-36.884 -22.577,-36.884 ccw(c-22.577,-36.684) -22.435,-36.825 -21.498,-35.889 cw(c-21.356,-36.03) -21.357,-35.83 ; v1@-24.042,-30.9 ccw(c-24.181,-30.756) -24.039,-30.897 -23.628,-30.485 cw(c-23.486,-30.627) -23.486,-30.427 -19.91,-30.427 ccw(c-19.91,-30.227) -19.768,-30.368 v1(-19.4,-30) ; -21.356,-35.83 -19.899,-35.83 cw(c-19.899,-36.03) -19.757,-35.889 v1(-19.4,-36.246)
EN_7: R145_7.1 U102_7.17 U102_7.24 | length 24.4
  Top Layer w0.2: U102_7.17@-4.425,-35.004 -3.976,-35.004 cw(c-3.976,-35.204) -3.776,-35.204 v1(-3.776,-35.597) ; U102_7.24@-4.425,-31.504 -3.976,-31.504 ccw(c-3.976,-31.304) -3.776,-31.304 v1(-3.776,-30.911) ; R145_7.1@0.44,-40.7 0.44,-40.18 cw(c0.64,-40.18) 0.499,-40.038 0.861,-39.676 ccw(c0.72,-39.534) 0.92,-39.534 v1(0.92,-36.246) v1(0.92,-30)
  Bottom Layer w0.2: v1(-3.776,-35.597) -3.776,-36.23 ccw(c-3.576,-36.229) -3.718,-36.369 -3.262,-36.826 ccw(c-3.121,-36.684) -3.121,-36.884 -2.257,-36.884 ccw(c-2.257,-36.684) -2.115,-36.825 -1.178,-35.889 cw(c-1.036,-36.03) -1.037,-35.83 ; v1@-3.722,-30.9 ccw(c-3.861,-30.756) -3.719,-30.897 -3.308,-30.485 cw(c-3.166,-30.627) -3.166,-30.427 0.41,-30.427 ccw(c0.41,-30.227) 0.552,-30.368 v1(0.92,-30) ; -1.036,-35.83 0.421,-35.83 cw(c0.421,-36.03) 0.563,-35.889 v1(0.92,-36.246)
EN_EXT_1: J103_1.A10 R145_1.2 | length 1.9
  Top Layer w0.2: R145_1.2@-120.52,-40.7 -120.143,-40.7 ccw(c-120.143,-40.5) -120.002,-40.642 -119.738,-40.377 ccw(c-119.88,-40.237) -119.68,-40.237 J103_1.A10@-119.68,-39.37
EN_EXT_2: J103_2.A10 R145_2.2 | length 1.9
  Top Layer w0.2: R145_2.2@-100.2,-40.7 -99.823,-40.7 ccw(c-99.823,-40.5) -99.682,-40.642 -99.418,-40.377 ccw(c-99.56,-40.237) -99.36,-40.237 J103_2.A10@-99.36,-39.37
EN_EXT_3: J103_3.A10 R145_3.2 | length 1.9
  Top Layer w0.2: R145_3.2@-79.88,-40.7 -79.503,-40.7 ccw(c-79.503,-40.5) -79.362,-40.642 -79.098,-40.377 ccw(c-79.24,-40.237) -79.04,-40.237 J103_3.A10@-79.04,-39.37
EN_EXT_4: J103_4.A10 R145_4.2 | length 1.9
  Top Layer w0.2: R145_4.2@-59.56,-40.7 -59.183,-40.7 ccw(c-59.183,-40.5) -59.042,-40.642 -58.778,-40.377 ccw(c-58.92,-40.237) -58.72,-40.237 J103_4.A10@-58.72,-39.37
EN_EXT_5: J103_5.A10 R145_5.2 | length 1.9
  Top Layer w0.2: R145_5.2@-39.24,-40.7 -38.863,-40.7 ccw(c-38.863,-40.5) -38.722,-40.642 -38.458,-40.377 ccw(c-38.6,-40.237) -38.4,-40.237 J103_5.A10@-38.4,-39.37
EN_EXT_6: J103_6.A10 R145_6.2 | length 1.9
  Top Layer w0.2: R145_6.2@-18.92,-40.7 -18.543,-40.7 ccw(c-18.543,-40.5) -18.402,-40.642 -18.138,-40.377 ccw(c-18.28,-40.237) -18.08,-40.237 J103_6.A10@-18.08,-39.37
EN_EXT_7: J103_7.A10 R145_7.2 | length 1.9
  Top Layer w0.2: R145_7.2@1.4,-40.7 1.777,-40.7 ccw(c1.777,-40.5) 1.918,-40.642 2.182,-40.377 ccw(c2.04,-40.237) 2.24,-40.237 J103_7.A10@2.24,-39.37
ENABLE: C157.1 R172.2 U106.2 U107.2 | length 22.7
  Top Layer w0.2: v1(-11.4,30.9) -5.683,30.9 cw(c-5.683,30.7) -5.541,30.841 -4.958,30.258 ccw(c-4.817,30.4) -4.817,30.2 -4.283,30.2 ccw(c-4.283,30.4) -4.142,30.258 -3.558,30.842 ccw(c-3.7,30.983) -3.5,30.983 R172.2@-3.5,31.52 -3.069,31.52 ccw(c-3.069,31.72) -3.032,31.524 -2.938,31.541 cw(c-2.901,31.345) -2.902,31.545 C157.1@-2.5,31.545
  Top Layer w0.25: v1@-10.9,22.1 v1(-10.8,22.1) U107.2@-9.12,22.1 ; v1@-10.9,27.2 v1(-10.8,27.2) U106.2@-9.12,27.2
  Bottom Layer w0.2: v1@-11.383,30.883 -10.873,30.373 cw(c-11.05,30.196) -10.8,30.196 v1(-10.8,27.2) v1(-10.8,22.1)
  Bottom Layer w0.25: v1@-11.399,30.899 v1@-11.383,30.883
FB1_1: R140_1.2 R141_1.1 U102_1.26 | length 2.8
  Top Layer w0.2: U102_1.26@-127.5,-30.85 -127.5,-30.343 cw(c-127.3,-30.342) -127.301,-30.142 -127.02,-30.142 ccw(c-127.02,-29.942) -126.82,-29.941 R140_1.2@-126.82,-29.5 R141_1.1@-125.88,-29.5
FB1_2: R140_2.2 R141_2.1 U102_2.26 | length 2.8
  Top Layer w0.2: U102_2.26@-107.18,-30.85 -107.18,-30.343 cw(c-106.98,-30.342) -106.981,-30.142 -106.7,-30.142 ccw(c-106.7,-29.942) -106.5,-29.941 R140_2.2@-106.5,-29.5 R141_2.1@-105.56,-29.5
FB1_3: R140_3.2 R141_3.1 U102_3.26 | length 2.8
  Top Layer w0.2: U102_3.26@-86.86,-30.85 -86.86,-30.343 cw(c-86.66,-30.342) -86.661,-30.142 -86.38,-30.142 ccw(c-86.38,-29.942) -86.18,-29.941 R140_3.2@-86.18,-29.5 R141_3.1@-85.24,-29.5
FB1_4: R140_4.2 R141_4.1 U102_4.26 | length 2.8
  Top Layer w0.2: U102_4.26@-66.54,-30.85 -66.54,-30.343 cw(c-66.34,-30.342) -66.341,-30.142 -66.06,-30.142 ccw(c-66.06,-29.942) -65.86,-29.941 R140_4.2@-65.86,-29.5 R141_4.1@-64.92,-29.5
FB1_5: R140_5.2 R141_5.1 U102_5.26 | length 2.8
  Top Layer w0.2: U102_5.26@-46.22,-30.85 -46.22,-30.343 cw(c-46.02,-30.342) -46.021,-30.142 -45.74,-30.142 ccw(c-45.74,-29.942) -45.54,-29.941 R140_5.2@-45.54,-29.5 R141_5.1@-44.6,-29.5
FB1_6: R140_6.2 R141_6.1 U102_6.26 | length 2.8
  Top Layer w0.2: U102_6.26@-25.9,-30.85 -25.9,-30.343 cw(c-25.7,-30.342) -25.701,-30.142 -25.42,-30.142 ccw(c-25.42,-29.942) -25.22,-29.941 R140_6.2@-25.22,-29.5 R141_6.1@-24.28,-29.5
FB1_7: R140_7.2 R141_7.1 U102_7.26 | length 2.8
  Top Layer w0.2: U102_7.26@-5.58,-30.85 -5.58,-30.343 cw(c-5.38,-30.342) -5.381,-30.142 -5.1,-30.142 ccw(c-5.1,-29.942) -4.9,-29.941 R140_7.2@-4.9,-29.5 R141_7.1@-3.96,-29.5
FB2_1: R143_1.2 R144_1.1 U102_1.15 | length 2.8
  Top Layer w0.2: U102_1.15@-127.5,-35.65 -127.5,-36.157 ccw(c-127.3,-36.158) -127.301,-36.358 -127.02,-36.358 cw(c-127.02,-36.558) -126.82,-36.559 R143_1.2@-126.82,-37 R144_1.1@-125.88,-37
FB2_2: R143_2.2 R144_2.1 U102_2.15 | length 2.8
  Top Layer w0.2: U102_2.15@-107.18,-35.65 -107.18,-36.157 ccw(c-106.98,-36.158) -106.981,-36.358 -106.7,-36.358 cw(c-106.7,-36.558) -106.5,-36.559 R143_2.2@-106.5,-37 R144_2.1@-105.56,-37
FB2_3: R143_3.2 R144_3.1 U102_3.15 | length 2.8
  Top Layer w0.2: U102_3.15@-86.86,-35.65 -86.86,-36.157 ccw(c-86.66,-36.158) -86.661,-36.358 -86.38,-36.358 cw(c-86.38,-36.558) -86.18,-36.559 R143_3.2@-86.18,-37 R144_3.1@-85.24,-37
FB2_4: R143_4.2 R144_4.1 U102_4.15 | length 2.8
  Top Layer w0.2: U102_4.15@-66.54,-35.65 -66.54,-36.157 ccw(c-66.34,-36.158) -66.341,-36.358 -66.06,-36.358 cw(c-66.06,-36.558) -65.86,-36.559 R143_4.2@-65.86,-37 R144_4.1@-64.92,-37
FB2_5: R143_5.2 R144_5.1 U102_5.15 | length 2.8
  Top Layer w0.2: U102_5.15@-46.22,-35.65 -46.22,-36.157 ccw(c-46.02,-36.158) -46.021,-36.358 -45.74,-36.358 cw(c-45.74,-36.558) -45.54,-36.559 R143_5.2@-45.54,-37 R144_5.1@-44.6,-37
FB2_6: R143_6.2 R144_6.1 U102_6.15 | length 2.8
  Top Layer w0.2: U102_6.15@-25.9,-35.65 -25.9,-36.157 ccw(c-25.7,-36.158) -25.701,-36.358 -25.42,-36.358 cw(c-25.42,-36.558) -25.22,-36.559 R143_6.2@-25.22,-37 R144_6.1@-24.28,-37
FB2_7: R143_7.2 R144_7.1 U102_7.15 | length 2.8
  Top Layer w0.2: U102_7.15@-5.58,-35.65 -5.58,-36.157 ccw(c-5.38,-36.158) -5.381,-36.358 -5.1,-36.358 cw(c-5.1,-36.558) -4.9,-36.559 R143_7.2@-4.9,-37 R144_7.1@-3.96,-37
GATE1_1: Q100_1.3 U102_1.28 | length 5
  Top Layer w0.2: U102_1.28@-128.5,-30.85 -128.5,-28.7 cw(c-128.3,-28.7) -128.299,-28.5 -126.45,-28.5 ccw(c-126.45,-28.3) -126.25,-28.3 Q100_1.3@-126.25,-27.935
GATE1_2: Q100_2.3 U102_2.28 | length 5
  Top Layer w0.2: U102_2.28@-108.18,-30.85 -108.18,-28.7 cw(c-107.98,-28.7) -107.979,-28.5 -106.13,-28.5 ccw(c-106.13,-28.3) -105.93,-28.3 Q100_2.3@-105.93,-27.935
GATE1_3: Q100_3.3 U102_3.28 | length 5
  Top Layer w0.2: U102_3.28@-87.86,-30.85 -87.86,-28.7 cw(c-87.66,-28.7) -87.659,-28.5 -85.81,-28.5 ccw(c-85.81,-28.3) -85.61,-28.3 Q100_3.3@-85.61,-27.935
GATE1_4: Q100_4.3 U102_4.28 | length 5
  Top Layer w0.2: U102_4.28@-67.54,-30.85 -67.54,-28.7 cw(c-67.34,-28.7) -67.339,-28.5 -65.49,-28.5 ccw(c-65.49,-28.3) -65.29,-28.3 Q100_4.3@-65.29,-27.935
GATE1_5: Q100_5.3 U102_5.28 | length 5
  Top Layer w0.2: U102_5.28@-47.22,-30.85 -47.22,-28.7 cw(c-47.02,-28.7) -47.019,-28.5 -45.17,-28.5 ccw(c-45.17,-28.3) -44.97,-28.3 Q100_5.3@-44.97,-27.935
GATE1_6: Q100_6.3 U102_6.28 | length 5
  Top Layer w0.2: U102_6.28@-26.9,-30.85 -26.9,-28.7 cw(c-26.7,-28.7) -26.699,-28.5 -24.85,-28.5 ccw(c-24.85,-28.3) -24.65,-28.3 Q100_6.3@-24.65,-27.935
GATE1_7: Q100_7.3 U102_7.28 | length 5
  Top Layer w0.2: U102_7.28@-6.58,-30.85 -6.58,-28.7 cw(c-6.38,-28.7) -6.379,-28.5 -4.53,-28.5 ccw(c-4.53,-28.3) -4.33,-28.3 Q100_7.3@-4.33,-27.935
GATE2_1: Q101_1.3 U102_1.13 | length 8.3
  Top Layer w0.2: v1(-128.5,-41.2) -126.45,-41.2 ccw(c-126.45,-41) -126.25,-41 Q101_1.3@-126.25,-40.435 ; v1(-128.5,-37.9) U102_1.13@-128.5,-35.654
  Bottom Layer w0.2: v1@-128.5,-41 v1(-128.5,-37.9)
GATE2_2: Q101_2.3 U102_2.13 | length 8.3
  Top Layer w0.2: v1(-108.18,-41.2) -106.13,-41.2 ccw(c-106.13,-41) -105.93,-41 Q101_2.3@-105.93,-40.435 ; v1(-108.18,-37.9) U102_2.13@-108.18,-35.654
  Bottom Layer w0.2: v1@-108.18,-41 v1(-108.18,-37.9)
GATE2_3: Q101_3.3 U102_3.13 | length 8.3
  Top Layer w0.2: v1(-87.86,-41.2) -85.81,-41.2 ccw(c-85.81,-41) -85.61,-41 Q101_3.3@-85.61,-40.435 ; v1(-87.86,-37.9) U102_3.13@-87.86,-35.654
  Bottom Layer w0.2: v1@-87.86,-41 v1(-87.86,-37.9)
GATE2_4: Q101_4.3 U102_4.13 | length 8.3
  Top Layer w0.2: v1(-67.54,-41.2) -65.49,-41.2 ccw(c-65.49,-41) -65.29,-41 Q101_4.3@-65.29,-40.435 ; v1(-67.54,-37.9) U102_4.13@-67.54,-35.654
  Bottom Layer w0.2: v1@-67.54,-41 v1(-67.54,-37.9)
GATE2_5: Q101_5.3 U102_5.13 | length 8.3
  Top Layer w0.2: v1(-47.22,-41.2) -45.17,-41.2 ccw(c-45.17,-41) -44.97,-41 Q101_5.3@-44.97,-40.435 ; v1(-47.22,-37.9) U102_5.13@-47.22,-35.654
  Bottom Layer w0.2: v1@-47.22,-41 v1(-47.22,-37.9)
GATE2_6: Q101_6.3 U102_6.13 | length 8.2
  Top Layer w0.2: v1(-26.9,-41.2) -24.85,-41.2 ccw(c-24.85,-41) -24.65,-41 Q101_6.3@-24.65,-40.435 ; v1(-26.9,-37.9) U102_6.13@-26.9,-35.654
  Bottom Layer w0.2: v1@-26.9,-41 v1@-26.9,-37.941
GATE2_7: Q101_7.3 U102_7.13 | length 8.3
  Top Layer w0.2: v1(-6.58,-41.2) -4.53,-41.2 ccw(c-4.53,-41) -4.33,-41 Q101_7.3@-4.33,-40.435 ; v1(-6.58,-37.9) U102_7.13@-6.58,-35.654
  Bottom Layer w0.2: v1@-6.58,-41 v1(-6.58,-37.9)